# Altium PCB DD2088PoE_Daisy_Chain.PcbDoc (part 3 of 6) (continued)
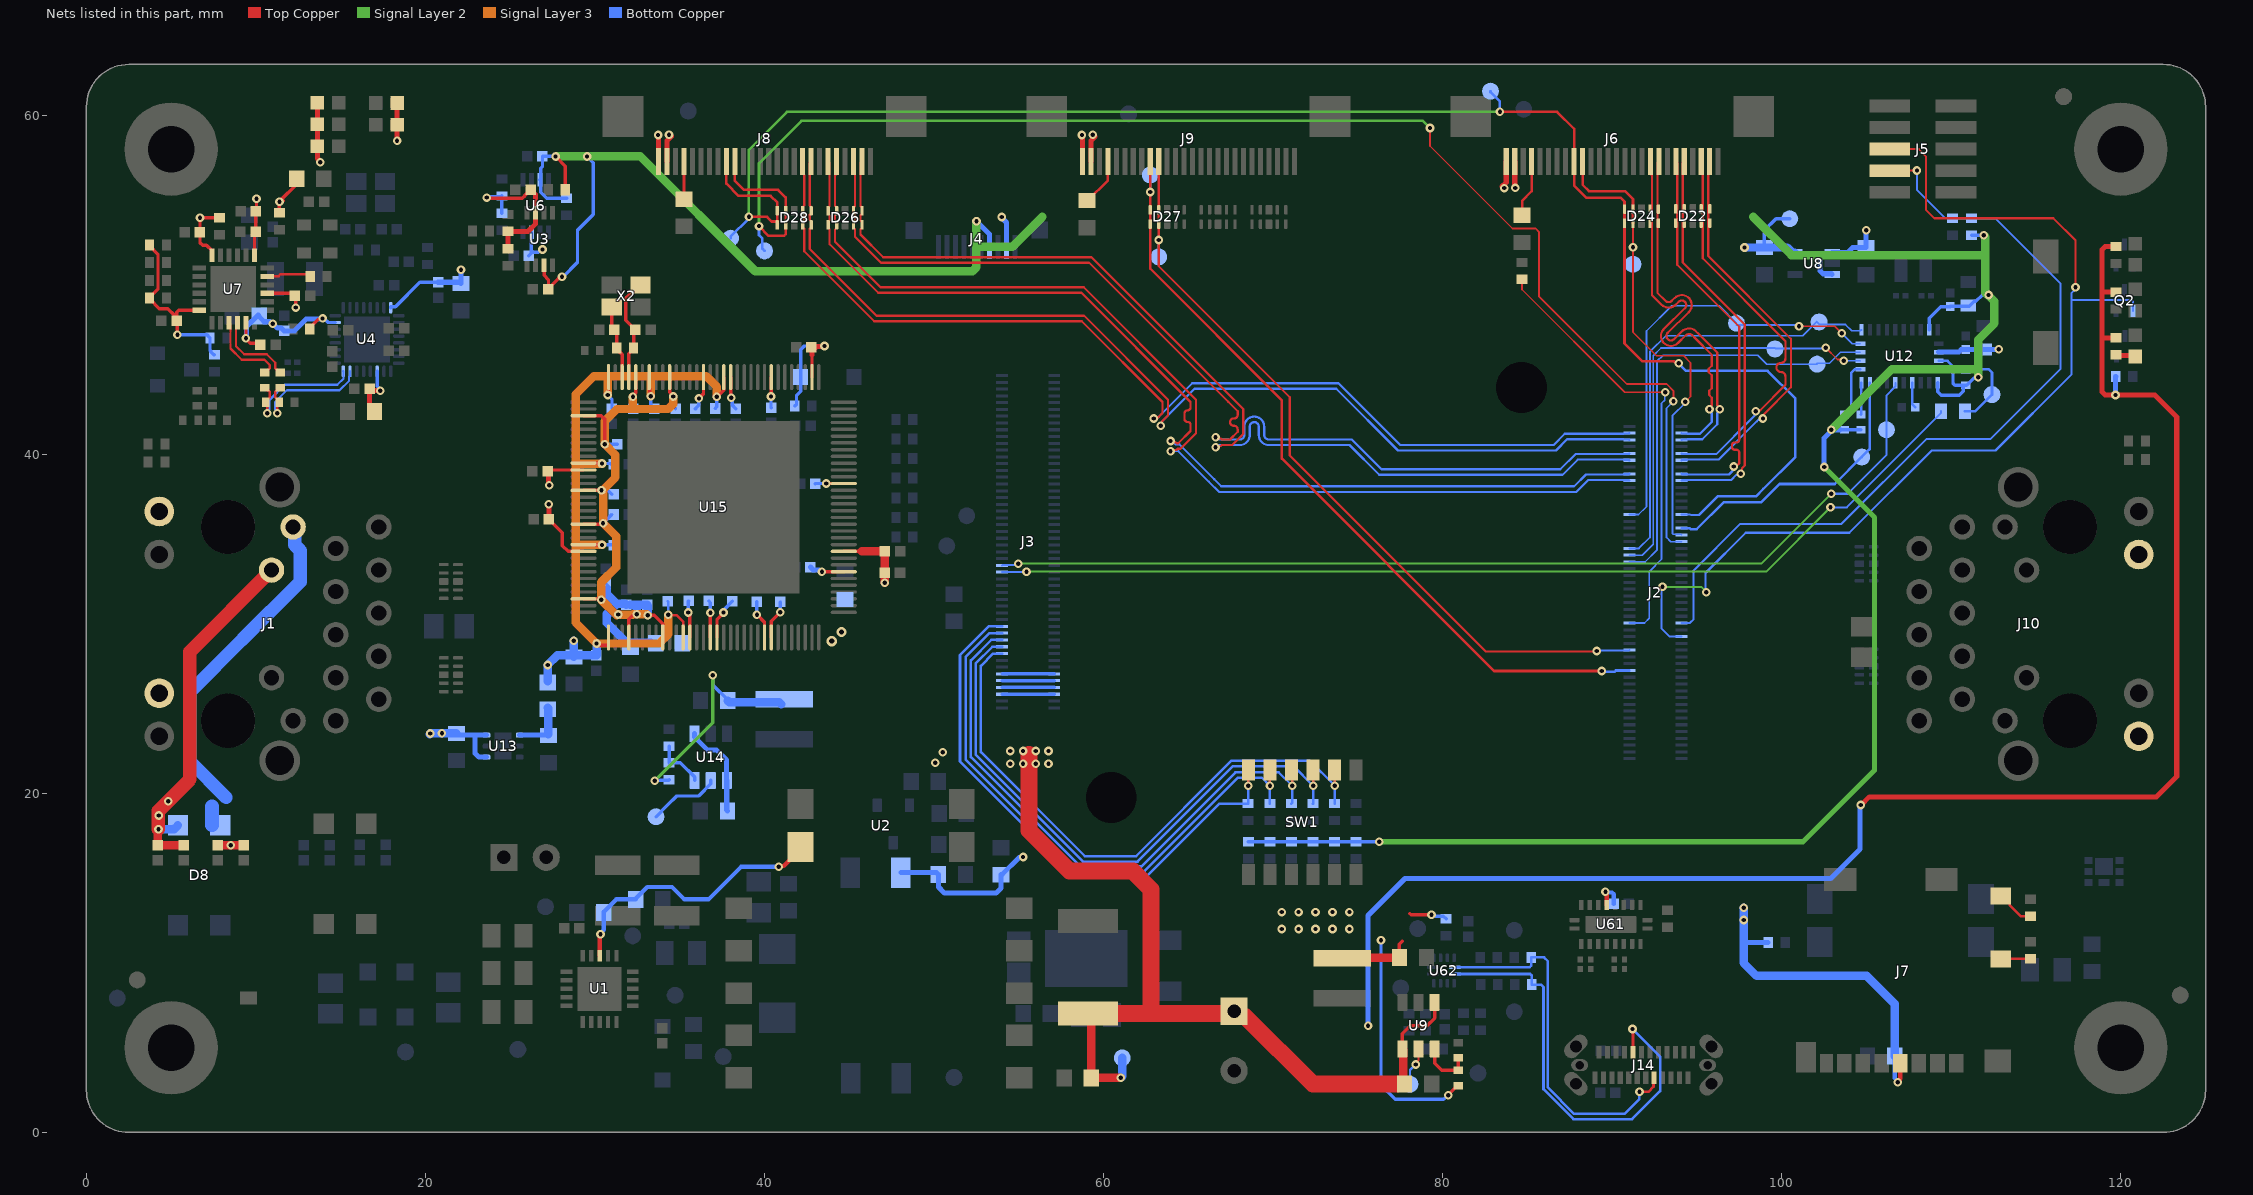
[diagram p7: the nets of this part, all layers, seen from the top]
## Nets (pads, with @x,y where several pads share a name; then routed paths per layer and width w, separated by ;. In a path a pad name is that pad's centre, name@x,y a point inside that pad or via, vN(x,y) a via of type N, cw(c..) or ccw(c..) an arc to the next point about the centre after c; other vN are vias at no path point) (continued)
  Bottom Copper w0.15: C69.2@34.282,31.334 34.325,31.291 v1(34.325,30.531)
  Bottom Copper w0.2: v1(30.415,34.657) 31.079,34.657 C77.2@31.1,34.636 ; v1(30.415,39.457) 30.937,39.457 C72.2@30.969,39.425 ; v1(30.75,43.5) 30.75,43.491 31,43.241 C71.2@31,42.7 ; v1@33.29,43.206 33.29,42.91 C68.2@33.5,42.7 ; C75.2@37.089,42.704 37.18,42.795 v1(37.18,43.389)
  Bottom Copper w0.5: FB4.2@27.208,26.625 v1(27.208,27.573) 27.784,28.149 C67.2@28.75,28.149 ; C67.2@28.75,28.05 C67.2@28.75,28.149 ; v1(28.75,29) C67.2@28.75,28.149 ; v1(30.094,28.842) 30.092,28.84 30.092,28.156 C70.2@30.085,28.149 C67.2@28.75,28.149
3V3: C19.2 C21.2 C27.1 C28.1 C29.1 C30.1 C31.1 C32.2 C34.2 C38.2 C39.2 C40.2 C41.2 C53.2 C55.2 C57.2 C58.2 C62.2 C74.2 C90.2 C91.2 C105.2 C106.2 C107.2 C108.2 C109.2 D1.2 D16.2 D19.2 D20.2 D21.2 D29.1 FB1.2 J1.15 J1.17 J4.9 J6.25 J6.26 J7.4 J8.25 J8.26 J9.25 J9.26 J10.15 J10.17 L3.2 R25.1 R26.1 R28.1 R29.1 R30.2 R35.1 R37.1 R38.1 R39.1 R46.1 R49.1 R57.2 R68.2 R89.1 R186.2 U3.7 U4.11 U4.23 U4.32 U6.7 U7.1 U7.6 U7.12 U7.17 U7.21 U8.1 U8.3 U12.3 U13.4 U13.6 U15.49 U15.57 U15.74 U15.98 U61.6 | length 144.9
  Top Copper w0.2: R38.1@3.725,52.35 3.725,52.3 4.217,51.808 4.225,51.808 4.225,49.775 3.725,49.275 R39.1@3.725,49.225 3.725,49.175 4.303,48.597 4.793,48.597 5.197,48.193 5.197,48.003 C29.1@5.325,47.875 ; v1(6.7,53.95) C28.1@6.7,53.1 6.7,52.49 6.857,52.333 7.084,52.333 7.417,52 U7.6@7.417,51.75 ; v1@6.95,53.95 R35.1@7.85,53.95 ; U7.17@9.417,47.75 9.413,47.746 9.413,46.847 v1(9.409,46.842) 9.409,46.801 9.668,46.541 C27.1@10.195,46.541 ; U7.1@9.917,51.75 9.917,53.021 9.993,53.097 C32.2@9.993,54.328 10.033,54.368 v1(10.033,55.071) ; U7.21@10.667,49.5 12.146,49.5 12.347,49.299 v1(12.347,48.657) ; R30.2@11.379,54.25 v1@11.379,54.904 ; v1@11.617,54.962 11.447,54.962 v1(11.388,54.904) 11.388,54.912 12.448,55.972 FB1.2@12.448,56.002 ; R37.1@13.174,47.406 13.174,47.456 13.676,47.957 13.871,47.957 v1(13.93,48.016) ; v1(23.62,55.146) 23.67,55.095 25.699,55.095 25.841,55.236 25.841,55.241 C19.2@26.206,55.606 C19.2@26.309,55.503 ; U3.7@26.5,54.25 26.5,54.656 ; U15.49@37.198,29.201 37.198,30.271 37.58,30.654 v1(37.58,30.672) ; U15.57@40.398,29.201 40.398,30.166 v1(40.923,30.691) ; 42.789,45.873 42.798,45.864 U15.98@42.798,44.552 ; U15.74@44.674,34.277 45.731,34.277 ; C57.2@77.43,10.305 77.43,11.095 77.61,11.275 ; 78.068,12.914 78.145,12.838 v1(79.341,12.838) ; v1(80.322,2.189) 80.322,2.221 80.864,2.763 R68.2@80.914,2.763
  Top Copper w0.203: v1(5.369,47.062) 5.369,47.831 C29.1@5.325,47.875 5.325,48.381 5.444,48.5 U7.12@6.667,48.5
  Top Copper w0.25: v1(89.6,14.2) 89.6,14.13 89.675,14.055 U61.6@89.675,13.425 ; v1(106.846,2.958) 106.846,3.028 106.988,3.17 J7.4@106.988,4.088
  Top Copper w0.3: D19.2@13.625,60.75 D16.2@13.625,59.463 13.625,57.456 13.8,57.281 v1(13.8,57.225) ; C39.2@17,42.525 16.701,42.824 C41.2@16.701,43.874 16.821,43.754 v1(17.325,43.754) ; v1(18.325,58.5) D21.2@18.325,59.438 D20.2@18.325,60.725 ; R25.1@24.875,52.133 R25.1@24.875,52.133 24.873,53.148 R26.1@24.872,53.15 26.05,53.15 26.5,53.6 U3.7@26.5,54.25 ; C19.2@26.309,55.503 26.5,55.312 26.5,54.656 ; v1@33.739,58.655 33.75,58.644 J8.26@33.75,57.275 ; J8.25@34.25,57.275 34.25,58.5 v1@34.5,58.75 ; 42.798,45.864 42.798,46.056 42.784,46.07 43.065,46.351 43.5,46.351 v1(43.54,46.391) ; v1@58.739,58.655 58.75,58.644 J9.26@58.75,57.275 ; J9.25@59.25,57.275 59.25,58.5 v1@59.5,58.75 ; v1@83.5,55.8 83.75,56.05 J6.26@83.75,57.275 ; J6.25@84.25,57.275 84.25,55.906 v1@84.261,55.895
  Top Copper w0.5: 45.731,34.277 C107.2@47.098,34.277 47.094,34.272 47.094,33.03 C105.2@47.09,33.026 v1(47.089,32.418) ; L3.2@74.075,10.285 74.095,10.305 77.43,10.305 C57.2@77.45,10.325
  Bottom Copper w0.2: v1(5.369,47.062) 7.113,47.062 7.288,46.887 R29.1@7.288,46.871 7.288,46.137 7.325,46.1 7.325,46.05 7.5,45.875 R28.1@7.55,45.875 ; v1@13.93,47.998 14.031,47.998 14.255,47.775 U4.23@14.675,47.775 ; U4.11@17.15,44.9 17.15,44.012 17.325,43.838 v1(17.325,43.754) ; U4.32@17.95,48.65 17.95,48.708 18.233,48.708 19.675,50.15 C40.2@20.75,50.15 ; v1(23.62,55.146) 23.668,55.194 24.461,55.194 R46.1@24.5,55.233 ; R49.1@24.5,54.225 R46.1@24.5,55.233 ; R46.1@24.51,55.242 R46.1@24.5,55.233 ; C53.2@26.094,51.713 C53.2@26.25,51.869 ; U6.7@26.25,53.1 C53.2@26.25,51.869 ; v1(26.901,52.08) 26.818,52.08 26.661,51.923 26.304,51.923 C53.2@26.25,51.869 ; v1(37.58,30.672) 37.639,30.731 37.639,30.864 C109.2@38.107,31.332 ; v1(40.923,30.691) C108.2@40.923,31.291 ; R89.1@41.775,42.85 41.887,42.962 41.887,43.475 42.125,43.712 D29.1@42.125,44.55 42.125,46.165 42.352,46.391 v1(43.54,46.391) ; v1(76.36,11.347) 76.36,2.796 77.192,1.964 80.051,1.964 80.276,2.189 v1(80.322,2.189) ; v1(79.341,12.838) 79.491,12.838 79.575,12.754 80.046,12.754 R186.2@80.2,12.6
  Bottom Copper w0.25: v1@89.6,14.13 v1(89.6,14.2) 89.649,14.151 89.985,14.151 90.088,14.048 C74.2@90.088,13.482 ; C55.2@106.658,4.5 106.658,3.216 106.846,3.028 v1(106.846,2.958)
  Bottom Copper w0.3: v1(9.409,46.842) 9.449,46.882 9.449,47.535 C21.2@10.135,48.222 ; C21.2@10.188,48.169 10.188,48.12 10.488,47.82 10.826,47.82 11.022,47.624 11.04,47.642 11.082,47.642 11.278,47.446 11.497,47.446 C34.2@11.657,47.286 12.279,47.286 12.969,47.977 13.89,47.977 v1(13.93,48.016) ; C40.2@20.75,50.15 22.025,50.15 C38.2@22.089,50.086 ; C58.2@21.828,23.537 21.928,23.437 22.928,23.437 ; v1@22.089,50.966 C38.2@22.089,50.086 ; C38.2@22.1,50.075 C38.2@22.089,50.086 ; U13.4@23.603,22.137 23.159,22.137 23.029,22.267 22.928,22.367 22.928,23.437 ; U13.6@23.603,23.437 22.928,23.437 ; v1(54,54) 54,53.944 54.267,53.677 J4.9@54.267,52.231 ; 97.75,11.14 97.81,11.2 R57.2@99.2,11.2 ; U8.3@102.975,50.6 102.925,50.65 102.426,50.65 102.25,50.826 102.25,51.674 102.426,51.85 102.925,51.85 U8.1@102.975,51.9 103.886,51.9 104.186,52.2 C62.2@104.975,52.2 v1(104.975,53.225) v1@105,53.25 ; U12.3@109.262,46.025 110.437,46.025 110.587,46.175 C90.2@111.95,46.175 112.775,46.175 v1(112.8,46.2)
  Bottom Copper w0.5: v1@20.25,23.5 v1(20.287,23.537) C58.2@21.828,23.537 ; v1(97.75,13.25) 97.75,11.14 97.75,10 98.512,9.238 105.012,9.238 106.658,7.592 C55.2@106.658,4.5
  other v1: 70.5,12 71.5,12 72.5,12 73.5,12 74.5,12 97.75,12.531 70.5,13 71.5,13 72.5,13 73.5,13 74.5,13 20.972,23.551 10.998,47.694 22.094,50.896 83.636,55.706 84.279,55.714 33.721,58.836 34.364,58.844 58.721,58.836 59.364,58.844
3V3_PG: TP7.1 U9.5 | length 2.3
  Top Copper w0.127: v1(78.402,4.011) 78.402,4.089 78.575,4.262 U9.5@78.575,4.925
  Bottom Copper w0.127: TP7.1@78.075,2.85 78.075,3.684 v1(78.402,4.011)
5V_LED: D6.2 R55.1 | length 1.2
  Top Copper w0.3: R55.1@119.725,45.881 119.781,45.825 120.794,45.825 D6.2@120.85,45.769
5V_PoE: C7.1 C9.2 C26.2 C56.2 C60.2 J3.5 J3.6 J3.7 J3.8 J3.9 J3.10 J3.11 J3.12 L1.2 R14.2 R24.2 R53.2 R54.2 R55.2 R56.2 TP6.1 U9.1 U9.4 U14.1 U14.4 | length 180.1
  Top Copper w0.2: U9.4@77.625,4.925 77.614,4.936 77.614,5.825 78.089,6.3 79.075,6.3 79.525,6.75 U9.1@79.525,7.675
  Top Copper w0.3: v1(104.658,19.314) 104.682,19.314 105.168,19.8 122.1,19.8 123.3,21 123.3,42.2 122,43.5 v1(119.684,43.5) 119.076,43.5 118.9,43.676 118.9,46.859 ; R55.2@119.725,46.881 119.703,46.859 118.9,46.859 ; R53.2@119.725,49.569 118.999,49.569 118.9,49.47 ; R56.2@119.725,52.256 119.076,52.256 118.9,52.08 118.9,49.47 ; 118.9,46.859 118.9,49.47
  Top Copper w0.5: L1.2@59.075,7.02 59.275,6.82 C9.2@59.275,3.225 v1(61.013,3.225) ; U9.4@77.625,4.925 77.675,4.875 77.675,2.925 C56.2@77.75,2.85
  Top Copper w1: 55.6,22.3 55.6,21.75 55.6,17.81 57.993,15.417 61.722,15.417 62.8,14.339 62.8,7.02 ; L1.2@59.075,7.02 62.8,7.02 ; 77.3,2.85 72.35,2.85 68.35,6.85 67.87,6.85 67.7,7.02 62.8,7.02
  Bottom Copper w0.2: J3.6@54.01,25.85 J3.5@57.09,25.85 ; J3.8@54.01,26.25 J3.7@57.09,26.25 ; J3.10@54.01,26.65 J3.9@57.09,26.65 ; J3.12@54.01,27.05 J3.11@57.09,27.05
  Bottom Copper w0.3: U14.1@35.878,23.518 35.878,23.318 36.624,22.571 37.154,22.571 37.75,21.975 37.75,19.032 C60.2@37.778,19.004 ; U14.4@37.778,20.768 C60.2@37.778,19.004 ; C60.2@37.815,18.968 C60.2@37.778,19.004 ; C26.2@48.048,15.325 50.148,15.325 R14.2@50.248,15.225 50.257,15.216 50.257,14.475 50.607,14.125 53.664,14.125 53.948,14.409 R24.2@53.948,15.2 53.998,15.2 55.008,16.21 55.21,16.21 v1(55.25,16.25) ; v1(75.6,6.3) 75.6,12.8 77.777,14.977 102.884,14.977 104.619,16.711 104.619,19.274 v1(104.658,19.314) ; v1(119.684,43.5) 119.692,43.508 119.692,44.592 R54.2@119.7,44.6
  Bottom Copper w0.5: v1(61.013,3.225) 61.013,3.227 61.1,3.314 TP6.1@61.1,4.4
  other v1: 54.5,21.75 55.25,21.75 56,21.75 56.75,21.75 50.069,21.803 50.509,22.42 54.5,22.5 55.25,22.5 56,22.5 56.75,22.5
2485_PGOOD: J2.37 J5.5 Q2.1 | length 61.4
  Top Copper w0.12: J5.5@106.375,58 108.081,58 108.5,57.581 108.5,54.425 109,53.925 116.025,53.925 117.325,52.625 v1(117.325,49.853)
  Signal Layer 2 w0.12: v1(92.966,32.181) 95.242,32.181 95.547,31.876 v1(95.547,31.859)
  Bottom Copper w0.12: v1(92.966,32.181) 92.903,32.118 92.903,29.739 93.392,29.25 J2.37@94.09,29.25 ; v1@95.502,31.859 95.502,33.002 97.875,35.375 103.99,35.375 108.84,40.226 112.609,40.226 117.079,44.696 117.079,49.1 ; v1(117.325,49.853) 117.325,49.748 117.079,49.502 117.079,49.1 ; Q2.1@120.725,48.459 120.725,48.998 120.623,49.1 117.079,49.1
2485_WAKEUP: J2.41 J5.7 R1.2 R62.1 | length 48.8
  Top Copper w0.12: J5.7@106.375,56.73 106.39,56.745 v1(107.973,56.745)
  Bottom Copper w0.12: J2.41@94.09,30.05 94.571,30.05 94.8,30.279 94.8,33.146 97.552,35.898 103.523,35.898 108.525,40.9 112.3,40.9 116.453,45.053 116.453,50.074 112.602,53.925 R62.1@110.075,53.925 110.063,53.937 109.64,53.937 107.973,55.604 v1(107.973,56.745)
BNO08x_BOOTN_1V8: J3.42 R84.2 | length 59.4
  Signal Layer 2 w0.12: v1(55.448,33.083) 99.083,33.083 v1(102.875,36.875)
  Bottom Copper w0.12: J3.42@54.01,33.05 55.415,33.05 v1(55.448,33.083) ; v1(102.875,36.875) 103.832,36.875 109.403,42.445 R84.2@109.403,42.545
BNO08x_BOOTN_1V8_1: R83.1 R84.1 TP26.1 U12.4 | length 6.8
  Bottom Copper w0.152: U12.4@109.262,45.525 109.278,45.509 109.779,45.509 110.313,44.975 R83.1@110.85,44.975 110.9,45.025 112.2,45.025 112.4,44.825 TP26.1@112.4,43.525 111.42,42.545 R84.1@110.803,42.545
BNO08x_CIPO_1V8: J2.64 TP28.1 U12.20 | length 25.9
  Bottom Copper w0.102: J2.64@91.01,34.45 91.575,34.45 92.222,35.097 92.222,46.049 93.17,46.997 101.234,46.997 102.067,47.831 102.244,47.654 103.762,47.654 104.128,47.288 104.626,47.288 104.675,47.337 U12.20@104.7,47.337
BNO08x_COPI_1V8: J2.62 TP29.1 U12.17 | length 25.6
  Top Copper w0.102: v1(102.591,46.284) 103.284,45.591 103.581,45.591 v1(103.659,45.513)
  Bottom Copper w0.102: J2.62@91.01,34.05 91.78,34.05 92.425,34.695 92.425,45.825 92.875,46.275 99.6,46.275 99.626,46.249 102.557,46.249 v1(102.591,46.284) ; v1(103.659,45.513) 103.665,45.519 104.631,45.519 U12.17@104.637,45.525
BNO08x_CS_1V8: J2.60 TP30.1 U12.18 | length 25.7
  Bottom Copper w0.102: J2.60@91.01,33.65 91.936,33.65 92.635,34.349 92.635,45.485 93,45.85 98.577,45.85 99.107,45.32 TP30.1@102.085,45.32 ; TP30.1@102.085,45.375 102.815,45.375 103.465,46.025 U12.18@104.637,46.025
BNO08x_INT_1V8: J2.69 TP25.1 U12.14 | length 17
  Bottom Copper w0.152: J2.69@94.09,35.65 94.104,35.636 94.571,35.636 94.621,35.586 94.986,35.586 96.582,37.182 98.797,37.182 99.866,38.25 103.125,38.25 TP25.1@104.715,39.84 105.155,40.28 105.2,40.325 U12.14@105.2,44.212
BNO08x_RSTn_1V8: J3.44 TP19.1 U12.11 | length 59.3
  Signal Layer 2 w0.12: v1(54.958,33.549) 98.799,33.549 v1(102.925,37.675)
  Bottom Copper w0.12: J3.44@54.01,33.45 54.04,33.48 54.889,33.48 v1(54.958,33.549) ; v1(102.925,37.675) 103.903,37.675 106.175,39.947 TP19.1@106.175,41.45 106.166,41.459 106.166,43.466 106.7,44 U12.11@106.7,44.212
BNO08x_SCK_1V8: J2.74 TP27.1 U12.19 | length 25.7
  Top Copper w0.102: v1(101.015,47.554) 103.123,47.554 v1(103.541,47.136)
  Bottom Copper w0.102: J2.74@91.01,36.45 91.55,36.45 92.019,36.919 92.019,47.278 93.501,48.761 96.306,48.761 TP27.1@97.328,47.738 ; TP27.1@97.328,47.632 100.937,47.632 v1(101.015,47.554) ; v1(103.541,47.136) 104.152,46.525 U12.19@104.637,46.525
BOOT0: J3.26 R23.1 SW1.6 | length 33
  Top Copper w0.15: v1(68.535,20.45) SW1.6@68.535,21.375
  Bottom Copper w0.15: J3.26@54.01,29.85 53.222,29.85 51.528,28.156 51.528,21.882 58.285,15.125 62.551,15.125 66.826,19.4 R23.1@68.525,19.4 68.535,19.41 v1(68.535,20.45)
BOOT1: J3.24 R22.1 SW1.5 | length 33.9
  Top Copper w0.152: SW1.5@69.805,21.375 69.81,21.37 v1(69.81,20.45)
  Bottom Copper w0.152: J3.24@54.01,29.45 53.265,29.45 51.861,28.046 51.861,22.002 58.447,15.417 62.409,15.417 67.925,20.932 69.328,20.932 v1(69.81,20.45) 69.81,19.41 R22.1@69.8,19.4
BOOT2: J3.22 R21.1 SW1.4 | length 34.3
  Top Copper w0.15: SW1.4@71.075,21.375 71.125,21.325 v1(71.125,20.45)
  Bottom Copper w0.15: J3.22@54.01,29.05 53.371,29.05 52.169,27.847 52.169,22.148 58.628,15.689 62.224,15.689 67.78,21.245 70.33,21.245 v1(71.125,20.45) 71.125,19.45 R21.1@71.075,19.4
BOOT3: J3.20 R20.1 SW1.3 | length 34.7
  Top Copper w0.15: SW1.3@72.345,21.375 72.36,21.36 v1(72.36,20.45)
  Bottom Copper w0.15: J3.20@54.01,28.65 53.436,28.65 52.45,27.664 52.45,22.297 58.774,15.974 62.01,15.974 67.641,21.604 71.206,21.604 v1(72.36,20.45) 72.36,19.41 R20.1@72.35,19.4
BOOT4: J3.18 R19.1 SW1.2 | length 35
  Top Copper w0.15: SW1.2@73.615,21.375 73.635,21.355 v1(73.635,20.45)
  Bottom Copper w0.15: J3.18@54.01,28.25 53.485,28.25 52.758,27.523 52.758,22.436 58.902,16.292 61.913,16.292 67.55,21.929 72.156,21.929 v1(73.635,20.45) 73.635,19.41 R19.1@73.625,19.4
BRIDGE_REFCLK1_N: R33.2 U7.15 | length 4.8
  Top Copper w0.13: U7.15@8.417,47.75 8.502,47.665 8.502,47.341 8.505,47.339 8.505,46.245 9.169,45.581 10.505,45.581 10.813,45.273 10.813,45.061 10.736,44.985 10.685,44.985 R33.2@10.525,44.825
BRIDGE_REFCLK1_P: R65.2 U7.16 | length 4.8
  Top Copper w0.13: U7.16@8.917,47.75 8.832,47.665 8.832,47.341 8.829,47.339 8.829,46.379 9.303,45.905 10.64,45.905 11.137,45.408 11.137,45.061 11.214,44.985 11.265,44.985 R65.2@11.425,44.825
BRIDGE_REFCLK_N: R33.1 R43.2 U4.16 | length 8
  Top Copper w0.13: R33.1@10.525,43.925 10.685,43.765 10.736,43.765 10.813,43.689 10.813,43.361 10.736,43.285 10.735,43.285 10.575,43.125 R43.2@10.575,43.075 10.663,42.987 v1(10.663,42.425)
  Bottom Copper w0.13: v1(10.663,42.425) 10.663,42.527 10.799,42.663 10.799,42.798 10.799,43.21 11.689,44.1 14.8,44.1 15.172,44.471 15.172,44.579 15.163,44.587 15.163,44.887 U4.16@15.15,44.9
BRIDGE_REFCLK_P: R42.2 R65.1 U4.15 | length 8
  Top Copper w0.13: v1(11.26,42.425) 11.26,42.96 R42.2@11.375,43.075 11.375,43.125 11.215,43.285 11.214,43.285 11.137,43.361 11.137,43.689 11.214,43.765 11.265,43.765 R65.1@11.425,43.925
  Bottom Copper w0.13: v1(11.26,42.425) 11.26,42.527 11.124,42.663 11.124,42.933 11.124,43.075 11.824,43.775 14.935,43.775 15.496,44.337 15.496,44.577 15.55,44.631 U4.15@15.55,44.9
CAM_A_CLK_OUT: D27.5 D27.6 J2.28 J9.18 TP32.1 | length 47.5
  Top Copper w0.152: J9.18@62.75,57.275 v1(62.75,55.475) D27.5@62.75,54.418 D27.6@62.75,53.583 62.75,50.95 70.516,43.184 70.516,39.741 83.035,27.222 v1(89.382,27.222)
  Bottom Copper w0.152: v1(62.75,55.475) TP32.1@62.75,56.475 ; v1(89.382,27.222) 89.434,27.169 90.13,27.169 90.21,27.25 J2.28@91.01,27.25
CAM_A_PWDN_N: D27.4 D27.7 J2.34 J9.17 TP37.1 | length 46.4
  Top Copper w0.127: J9.17@63.25,57.275 D27.4@63.25,54.418 D27.7@63.25,53.583 v1(63.25,52.643) 63.25,51.1 70.975,43.375 70.975,39.931 82.53,28.376 89.058,28.376 v1(89.08,28.398)
  Bottom Copper w0.127: TP37.1@63.25,51.643 v1(63.25,52.643) ; v1(89.08,28.398) 89.106,28.424 90.984,28.424 J2.34@91.01,28.45
CAM_B_CLK_OUT: D24.5 D24.6 D28.5 D28.6 J2.73 J6.18 J8.18 TP33.1 TP34.1 | length 103.2
  Top Copper w0.152: J8.18@37.75,57.275 37.75,55.975 38.475,55.25 40.357,55.25 40.755,54.852 40.755,53.54 D28.6@40.75,53.534 ; v1(39.079,54.005) 40.152,54.005 40.421,53.735 40.726,53.735 40.75,53.711 D28.6@40.75,53.62 ; v1(83.377,60.201) 86.753,60.201 87.75,59.204 J6.18@87.75,57.275 87.75,55.85 88.475,55.125 90.508,55.125 90.725,54.908 D24.5@90.725,54.468 D24.6@90.725,53.633 90.725,46.545 91.79,45.48 93.648,45.48 93.69,45.438 93.847,45.438 v1(93.915,45.37)
  Signal Layer 2 w0.152: v1(39.079,54.005) 39.079,57.957 41.322,60.201 v1(83.377,60.201)
  Bottom Copper w0.102: J2.73@94.09,36.45 94.608,36.45 94.632,36.427 95.127,36.427
  Bottom Copper w0.15: 95.127,36.427 96.222,37.522 98.468,37.522 98.908,37.962
  Bottom Copper w0.152: TP33.1@38,52.75 38,52.838 39.079,53.917 v1(39.079,54.005) ; TP34.1@82.821,61.419 82.821,61.365 83.377,60.809 v1(83.377,60.201) ; v1(93.915,45.37) 94.36,44.925 99.163,44.925 100.799,43.289 100.799,39.853 98.908,37.962
CAM_B_D_PWM: D28.4 D28.7 J2.65 J8.17 TP36.1 | length 88.1
  Top Copper w0.102: v1(79.25,59.25) 79.25,58.188 84.115,53.322 85.485,53.322 85.675,53.132 85.675,49.325 90.854,44.146 93.206,44.146 93.61,43.742 v1(93.61,43.125)
  Top Copper w0.152: J8.17@38.25,57.275 38.25,56.125 38.775,55.6 40.8,55.6 41.25,55.15 D28.4@41.25,54.369 41.25,52.981 41.161,52.892 40.243,52.892 v1(39.671,53.463)
  Signal Layer 2 w0.152: v1(39.671,53.463) 39.671,57.158 42.18,59.666 78.834,59.666 v1(79.25,59.25)
  Bottom Copper w0.102: v1(93.61,43.125) 93.2,42.716 93.2,35.1 93.45,34.85 J2.65@94.09,34.85
  Bottom Copper w0.152: v1(39.671,53.463) 39.671,52.928 39.871,52.729 39.871,52.129 TP36.1@40,52
CAM_B_PWDN_N: D24.4 D24.7 J2.67 J6.17 TP35.1 | length 28.8
  Top Copper w0.102: D24.7@91.225,53.633 v1(91.225,52.213) 91.225,47.193 92.61,45.808 94.211,45.808 94.618,45.401 94.618,43.413 v1(94.305,43.1)
  Top Copper w0.15: J6.17@88.25,57.275 88.25,55.9 88.625,55.525 90.75,55.525 91.225,55.05 D24.4@91.225,54.468 D24.7@91.225,53.633
  Bottom Copper w0.102: TP35.1@91.225,51.213 v1(91.225,52.213) ; J2.67@94.09,35.25 94.051,35.289 93.61,35.289 93.55,35.349 93.55,42.275 94.305,43.03 v1(94.305,43.1)
CAM_L_C_N: D24.1 D24.10 J2.95 J6.8 | length 23.7
  Top Copper w0.13: J6.8@92.75,57.275 92.665,57.19 92.665,56.466 92.662,56.464 92.662,54.468 92.662,50.113 92.662,49.538 93.141,49.059 ccw(c93.329,49.245) 93.515,49.056 ; 93.276,47.172 ccw(c93.461,46.982) 93.271,46.797 ccw(c93.461,46.982) 93.647,46.793 ; 93.276,47.172 94.514,48.385 ccw(c94.102,48.807) 94.522,49.22 ; 93.515,49.057 93.689,49.228 cw(c94.102,48.807) 94.522,49.22 ; 93.647,46.794 94.119,47.256 cw(c94.531,46.835) 94.898,47.296 94.904,47.296 95.113,47.087 96.199,46.001 96.199,42.895 96.335,42.758 v1(96.335,42.656)
  Bottom Copper w0.13: J2.95@94.09,40.85 94.115,40.875 94.425,40.875 94.438,40.888 94.635,40.888 95.309,40.888 96.199,41.777 96.199,42.418 96.335,42.554 v1(96.335,42.656)
CAM_L_C_P: D24.2 D24.9 J2.97 J6.9 | length 23.7
  Top Copper w0.13: D24.9@92.225,53.633 92.237,53.62 92.338,53.62 ; D24.2@92.225,54.468 92.338,54.468 ; J6.9@92.25,57.275 92.335,57.19 92.335,56.466 92.338,56.464 92.338,54.468 ; 93.916,48.995 93.742,48.825 cw(c93.329,49.245) 92.912,48.829 92.338,49.403 92.338,49.795 92.338,53.62 ; 93.916,48.995 cw(c94.102,48.807) 94.292,48.992 ; 94.287,48.617 93.048,47.403 ccw(c93.461,46.982) 93.041,46.568 ccw(c93.461,46.982) 93.874,46.562 94.345,47.024 cw(c94.531,46.835) 94.719,47.022 ; 94.287,48.618 ccw(c94.102,48.807) 94.292,48.991 ; 94.719,47.022 94.721,47.02 ; 94.722,47.019 94.881,46.86 95.875,45.866 95.875,45.225 ; v1(95.738,42.656) 95.738,42.758 95.875,42.895 95.875,43.344 ; 95.874,43.346 95.718,43.502 95.718,43.747 95.874,43.904 95.874,44.666 95.695,44.845 95.695,45.045 95.874,45.224 ; 92.338,53.62 92.338,54.468
  Bottom Copper w0.13: J2.97@94.09,41.25 94.115,41.225 94.425,41.225 94.438,41.212 94.769,41.212 95.175,41.212 95.875,41.912 95.875,42.418 95.738,42.554 v1(95.738,42.656)
CAM_L_D0_N: D22.1 D22.10 J2.89 J6.2 | length 23.7
  Top Copper w0.13: J6.2@95.75,57.275 95.665,57.19 95.665,56.466 95.662,56.464 95.662,51.694 100.538,46.819 100.538,43.953 98.96,42.376 98.96,42.183 v1(98.888,42.111)
  Bottom Copper w0.13: J2.89@94.09,39.65 94.115,39.675 94.425,39.675 94.438,39.688 96.272,39.688 98.528,41.944 98.623,42.039 98.816,42.039 v1(98.888,42.111)
CAM_L_D0_P: D22.2 D22.9 J2.91 J6.3 | length 23.8
  Top Copper w0.13: J6.3@95.25,57.275 95.335,57.19 95.335,56.466 95.338,56.464 95.338,51.56 100.213,46.684 100.213,46.249 100.213,45.654 cw(c99.948,45.654) 99.948,45.389 ccw(c99.948,45.124) 99.683,45.124 ccw(c99.948,45.124) 99.948,44.859 cw(c99.948,44.594) 100.213,44.594 100.213,44.107 100.213,44.088 98.731,42.606 98.538,42.606 v1(98.466,42.533)
  Bottom Copper w0.13: J2.91@94.09,40.05 94.115,40.025 94.425,40.025 94.438,40.012 96.137,40.012 98.203,42.078 98.394,42.269 98.394,42.461 v1(98.466,42.533)
CAM_L_D1_N: D22.4 D22.7 J2.83 J6.5 | length 23.7
  Top Copper w0.13: J6.5@94.25,57.275 94.165,57.19 94.165,56.466 94.162,56.464 94.162,51.313 97.818,47.657 97.818,39.343 97.657,39.183 97.657,38.931 v1(97.585,38.858)
  Bottom Copper w0.13: J2.83@94.09,38.45 94.115,38.475 94.425,38.475 94.438,38.488 97.022,38.488 97.323,38.789 97.516,38.789 v1(97.585,38.858)
CAM_L_D1_P: D22.5 D22.6 J2.85 J6.6 | length 23.7
  Top Copper w0.13: J6.6@93.75,57.275 93.835,57.19 93.835,56.466 93.838,56.464 93.838,51.178 97.493,47.523 97.493,41.368 97.493,40.873 cw(c97.321,40.873) 97.321,40.701 97.231,40.701 ccw(c97.231,40.529) 97.059,40.529 97.059,40.443 ccw(c97.231,40.443) 97.231,40.271 97.321,40.271 cw(c97.321,40.099) 97.493,40.099 97.493,39.478 97.417,39.402 97.387,39.402 97.265,39.28 v1(97.163,39.28)
  Bottom Copper w0.13: J2.85@94.09,38.85 94.115,38.825 94.425,38.825 94.438,38.812 96.887,38.812 97.094,39.019 97.094,39.211 v1(97.163,39.28)
CAM_R_C_N: D28.1 D28.10 J2.96 J8.8 | length 62.3
  Top Copper w0.13: J8.8@42.75,57.275 42.665,57.19 42.665,56.466 42.662,56.464 42.662,56.356 42.662,54.676 42.75,54.588 D28.1@42.75,54.369 42.75,54.223 42.662,54.136 42.662,53.841 42.75,53.753 D28.10@42.75,53.534 42.75,53.388 42.662,53.301 42.662,52.116 46.604,48.175 58.85,48.175 63.8,43.225 63.8,42.307 63.447,41.955 63.447,41.762 v1(63.375,41.69)
  Bottom Copper w0.13: v1(63.375,41.69) 63.447,41.762 63.447,41.955 65.361,43.868 73.723,43.868 77.361,40.23 86.68,40.23 87.338,40.888 90.662,40.888 90.675,40.875 90.985,40.875 J2.96@91.01,40.85
CAM_R_C_P: D28.2 D28.9 J2.98 J8.9 | length 62.3
  Top Copper w0.13: J8.9@42.25,57.275 42.335,57.19 42.335,56.466 42.338,56.464 42.338,56.222 42.338,54.676 42.25,54.588 D28.2@42.25,54.369 42.25,54.223 42.338,54.136 42.338,53.841 42.25,53.753 D28.9@42.25,53.534 42.25,53.388 42.338,53.301 42.338,51.982 46.469,47.85 58.715,47.85 63.475,43.091 63.475,42.442 63.218,42.184 63.025,42.184 v1(62.953,42.112)
  Bottom Copper w0.13: v1(62.953,42.112) 63.025,42.184 63.218,42.184 65.226,44.193 73.857,44.193 77.495,40.555 86.545,40.555 87.203,41.212 90.662,41.212 90.675,41.225 90.985,41.225 J2.98@91.01,41.25
CAM_R_D0_N: D26.1 D26.10 J2.90 J8.2 | length 62.3
  Top Copper w0.13: J8.2@45.75,57.275 45.665,57.19 45.665,56.466 45.662,56.464 45.662,55.987 45.662,54.645 45.75,54.558 D26.1@45.75,54.375 45.75,54.192 45.662,54.105 45.662,53.81 45.75,53.723 D26.10@45.75,53.54 45.75,53.357 45.662,53.27 45.662,52.971 47.003,51.629 59.28,51.629 68.232,42.678 68.232,41.197 67.585,40.55 66.975,40.55 66.911,40.486 66.675,40.486 v1(66.603,40.414)
  Bottom Copper w0.13: v1(66.603,40.414) 66.705,40.414 66.841,40.55 67.28,40.55 68.031,40.55 ccw(c68.031,41.14) 68.621,41.14 68.621,41.635 cw(c68.886,41.635) 68.886,41.9 cw(c68.886,41.635) 69.151,41.635 69.151,41.14 ccw(c69.741,41.14) 69.741,40.55 70.823,40.55 74.502,40.55 76.253,38.799 87.074,38.799 87.963,39.688 90.662,39.688 90.675,39.675 90.985,39.675 J2.90@91.01,39.65
CAM_R_D0_P: D26.2 D26.9 J2.92 J8.3 | length 62.3
  Top Copper w0.13: J8.3@45.25,57.275 45.335,57.19 45.335,56.466 45.338,56.464 45.338,55.853 45.338,54.645 45.25,54.558 D26.2@45.25,54.375 45.25,54.192 45.338,54.105 45.338,53.81 45.25,53.723 D26.9@45.25,53.54 45.25,53.357 45.338,53.27 45.338,52.836 46.869,51.305 59.145,51.305 67.354,43.096 67.907,42.543 67.907,42.331 cw(c67.692,42.331) 67.692,42.116 67.668,42.116 ccw(c67.668,41.901) 67.453,41.901 ccw(c67.668,41.901) 67.668,41.686 67.692,41.686 cw(c67.692,41.471) 67.907,41.471 67.907,41.406 67.907,41.332 67.45,40.875 66.975,40.875 66.911,40.939 66.675,40.939 v1(66.603,41.011)
  Bottom Copper w0.13: v1(66.603,41.011) 66.705,41.011 66.841,40.875 67.28,40.875 68.031,40.875 ccw(c68.031,41.14) 68.296,41.14 68.296,41.635 cw(c68.886,41.635) 68.886,42.225 cw(c68.886,41.635) 69.476,41.635 69.476,41.14 ccw(c69.741,41.14) 69.741,40.875 70.823,40.875 74.636,40.875 76.388,39.124 86.939,39.124 87.828,40.012 90.662,40.012 90.675,40.025 90.985,40.025 J2.92@91.01,40.05
CAM_R_D1_N: D26.4 D26.7 J2.84 J8.5 | length 62.3
  Top Copper w0.13: J8.5@44.25,57.275 44.165,57.19 44.165,56.466 44.162,56.464 44.162,54.645 44.25,54.558 D26.4@44.25,54.375 44.25,54.192 44.162,54.105 44.162,53.81 44.25,53.723 D26.7@44.25,53.54 44.25,53.357 44.162,53.27 44.162,52.529 46.842,49.85 58.825,49.85 65.45,43.225 65.45,41.24 64.535,40.325 64.361,40.325 64.298,40.261 64.022,40.261 v1(63.95,40.189)
  Bottom Copper w0.13: v1(63.95,40.189) 64.401,40.189 66.2,38.39 66.804,37.787 87.887,37.787 88.588,38.488 90.662,38.488 90.675,38.475 90.985,38.475 J2.84@91.01,38.45
CAM_R_D1_P: D26.5 D26.6 J2.86 J8.6 | length 62.3
  Top Copper w0.13: J8.6@43.75,57.275 43.835,57.19 43.835,56.466 43.838,56.464 43.838,54.645 43.75,54.558 D26.5@43.75,54.375 43.75,54.192 43.838,54.105 43.838,53.81 43.75,53.723 D26.6@43.75,53.54 43.75,53.357 43.838,53.27 43.838,52.395 46.707,49.525 58.69,49.525 65.125,43.091 65.125,42.764 cw(c64.955,42.764) 64.955,42.594 64.943,42.594 ccw(c64.943,42.424) 64.773,42.424 64.773,42.084 ccw(c64.943,42.084) 64.943,41.914 64.955,41.914 cw(c64.955,41.744) 65.125,41.744 65.125,41.679 65.125,41.375 64.4,40.65 64.294,40.65 64.23,40.714 64.022,40.714 v1(63.95,40.786)
  Bottom Copper w0.13: v1(63.95,40.786) 64.052,40.786 64.246,40.592 64.457,40.592 66.525,38.525 66.938,38.112 87.752,38.112 88.453,38.812 90.662,38.812 90.675,38.825 90.985,38.825 J2.86@91.01,38.85
CAP: C94.1 U12.9 | length 1.5
  Bottom Copper w0.152: U12.9@107.7,44.212 107.7,42.95 C94.1@107.875,42.775
CC1: J14.A5 RZ28.2 U62.1 | length 21.9
  Top Copper w0.152: v1(91.606,2.399) 92.13,2.399 92.436,2.704 92.436,3.181 J14.A5@92.475,3.22
  Bottom Copper w0.152: U62.1@80.724,9.75 85.136,9.75 85.225,9.839 RZ28.2@85.225,10.325 85.975,10.325 86.2,10.1 86.2,2.659 87.759,1.1 90.736,1.1 91.606,1.97 v1(91.606,2.399)
CC2: J14.B5 RZ29.2 U62.2 | length 25.9
  Top Copper w0.152: v1(91.198,6.1) 91.198,5.986 91.225,5.96 J14.B5@91.225,4.73
  Bottom Copper w0.152: U62.2@80.724,9.35 85.161,9.35 85.25,9.261 RZ29.2@85.25,8.725 85.802,8.725 85.946,8.581 85.946,2.554 87.71,0.79 91.18,0.79 92.825,2.435 92.825,4.474 v1(91.198,6.1)
CD_SW1: J7.9 R66.1 | length 1.8
  Top Copper w0.152: J7.9@112.923,10.238 114.663,10.238 R66.1@114.676,10.25
CD_SW2: J7.10 R67.2 | length 2.3
  Top Copper w0.152: J7.10@112.923,13.938 113.023,13.938 113.446,13.514 113.446,13.426 114.122,12.75 R67.2@114.676,12.75
CLK_IN: R64.1 U7.23 | length 2.6
  Top Copper w0.15: U7.23@10.667,50.5 11.326,50.5 11.435,50.609 13.087,50.609 R64.1@13.195,50.501
COM_AUX_IO2: J2.42 R82.1 | length 26.6
  Top Copper w0.102: R82.1@84.675,50.32 84.675,49.725 90.746,43.654 v1(93.124,43.654)
  Bottom Copper w0.102: J2.42@91.01,30.05 91.9,30.05 92.184,30.334 92.184,33.079 92.91,33.806 92.91,43.005 93.102,43.197 93.102,43.632 v1(93.124,43.654)
CT1: C12.1 C13.1 D8.2 J1.11 | length 22.4
  Top Copper w0.5: C12.1@7.75,16.95 C13.1@9.29,16.95
  Bottom Copper w0.762: 8.25,19.75 6.124,21.876 6.124,25.999 9.211,29.086
  Bottom Copper w0.8: D8.2@7.408,18.117 7.408,19.231 ; 9.211,29.086 12.616,32.491 12.616,34.324 12.286,34.654 12.286,35.618 J1.11@12.189,35.715
  other v1: 8.52,16.95
CT2: C10.1 C14.1 D8.3 J1.12 | length 21.8
  Top Copper w0.5: v1(4.249,17.886) v1(4.249,17.886) 4.21,17.844 C10.1@4.21,16.95 C14.1@5.75,16.95
  Top Copper w0.8: v1(4.249,17.886) 4.249,18.968 6.105,20.824 6.105,28.361 J1.12@10.919,33.175
  Bottom Copper w0.5: v1(4.249,17.886) 4.251,17.887 5.17,17.887 D8.3@5.399,18.117
  other v1: 4.274,18.696 4.823,19.542
ENV_SCL: R85.2 U12.15 | length 1.9
  Bottom Copper w0.152: R85.2@104.675,42.35 104.7,42.375 U12.15@104.7,44.212
ENV_SDA: R86.2 U12.16 | length 3.3
  Bottom Copper w0.15: R86.2@103.7,42.35 103.75,42.35 103.9,42.5 103.9,42.55 104.095,42.745 104.095,44.807 104.3,45.012 104.625,45.012 U12.16@104.637,45.025
EROUT: R12.1 R18.2 U1.3 U2.4 | length 16.6
  Top Copper w0.254: U1.3@30.273,10.425 30.273,11.572 30.324,11.623 v1(30.324,11.692) ; v1(40.841,15.668) 40.89,15.716 41.131,15.716 42.115,16.7 U2.4@42.115,16.83
  Bottom Copper w0.254: v1(30.324,11.692) 30.324,11.761 30.523,11.96 R12.1@30.523,12.975 30.523,13.025 31.248,13.75 R18.2@32.398,13.75 32.398,13.8 33.077,14.479 34.543,14.479 35.271,13.75 36.693,13.75 38.611,15.668 v1(40.841,15.668)
ESW_XI: C111.2 R88.2 U15.126 X2.3 | length 4.3
  Top Copper w0.206: X2.3@30.987,48.68 30.987,47.513 C111.2@31.149,47.352 31.275,47.225 R88.2@31.275,46.26 ; R88.2@31.358,46.227 31.358,46.127 31.598,45.887 U15.126@31.598,44.552
ESW_XO: C110.2 R88.1 U15.125 X2.1 | length 6.2
  Top Copper w0.206: U15.125@31.998,44.552 31.998,45.933 32.275,46.21 R88.1@32.275,46.26 32.275,47.248 C110.2@32.381,47.353 31.822,47.912 31.822,49.237 31.844,49.237 32.587,49.98 X2.1@32.687,49.98
FB_1V2VIN: R75.2 R76.1 U14.6 | length 3
  Bottom Copper w0.2: R75.2@34.375,21.8 R75.2@34.38,21.805 ; R76.1@34.386,22.791 34.386,21.811 R75.2@34.38,21.805 ; U14.6@35.878,20.768 35.878,20.968 35.041,21.805 R75.2@34.38,21.805
FB_3V3VIN: R68.1 R69.2 U9.6 | length 3.1
  Top Copper w0.2: U9.6@79.525,4.925 79.525,4.084 79.947,3.663 R68.1@80.914,3.663 ; R68.1@80.914,3.663 R69.2@80.914,4.401
FSIN1: J6.23 R79.2 | length 3.4
  Top Copper w0.15: R79.2@84.675,54.1 84.681,54.106 84.681,54.953 85.244,55.517 85.244,56.031 85.25,56.036 J6.23@85.25,57.275
FSIN2: J8.23 R80.2 | length 2.5
  Top Copper w0.152: R80.2@35.175,54.775 35.25,54.85 J8.23@35.25,57.275
FSIN3: J9.23 R81.2 | length 2.8
  Top Copper w0.152: R81.2@59.007,54.969 59.057,54.969 60.25,56.163 J9.23@60.25,57.275